# Altium PCB Telemetry Module PCB.PcbDoc (part 1 of 2)
Units mil, origin at the board's own origin, x right, y up, seen from the top; angles counter-clockwise.
Board outline 3149.61 x 3149.61 mil, 2 copper layers (Top Layer, Bottom Layer); 76 components, 75 nets, 422 pads, 173 vias.
Unrouted connection lines stored in the file: 86.
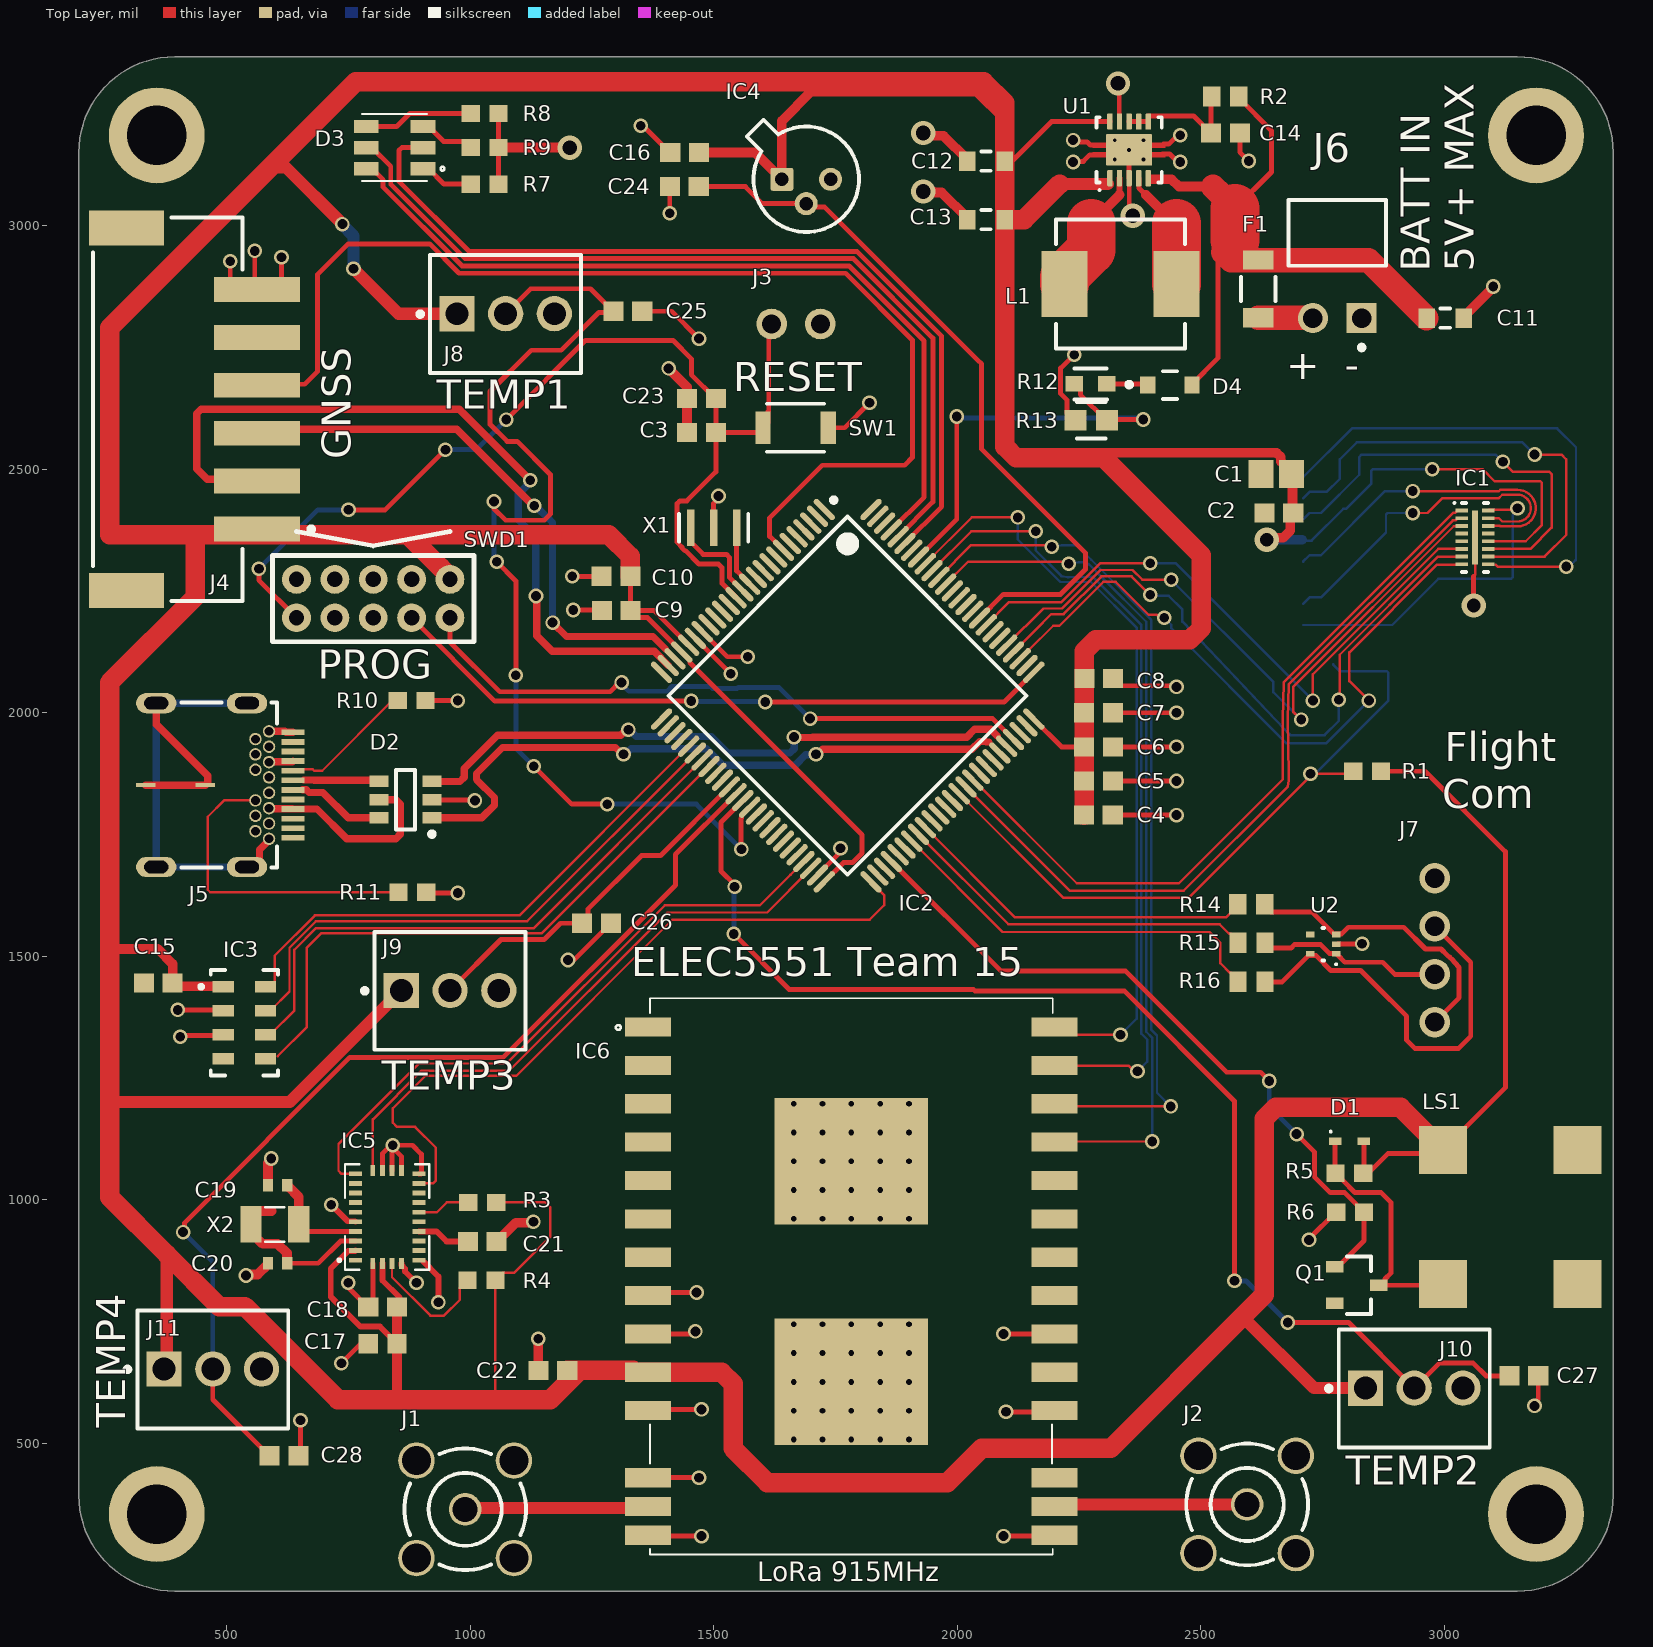
[diagram p0: Top Layer view]
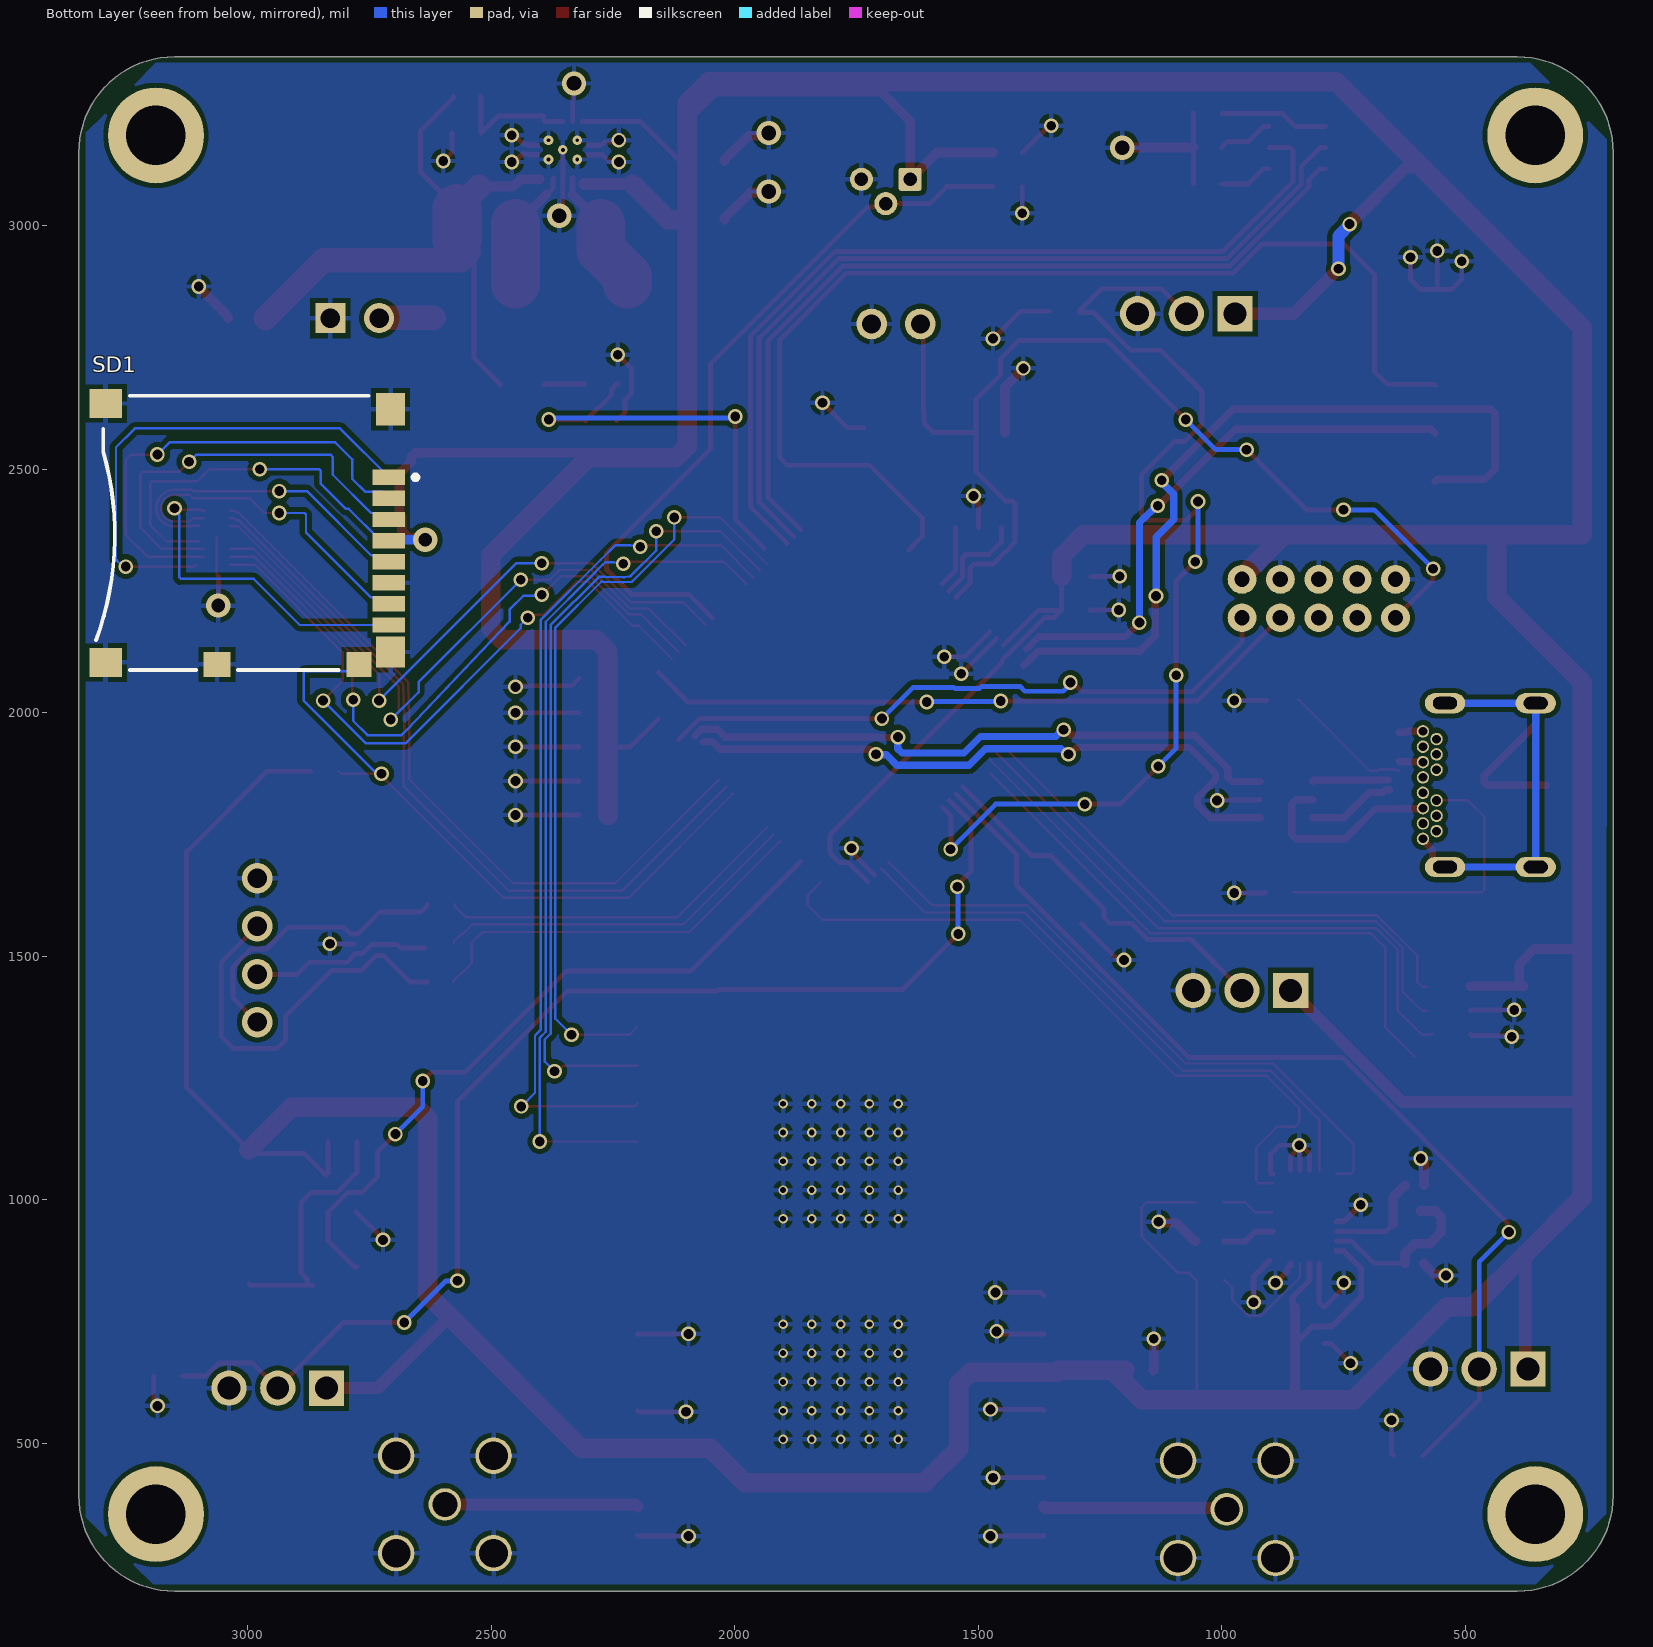
[diagram p1: Bottom Layer view, seen from below]
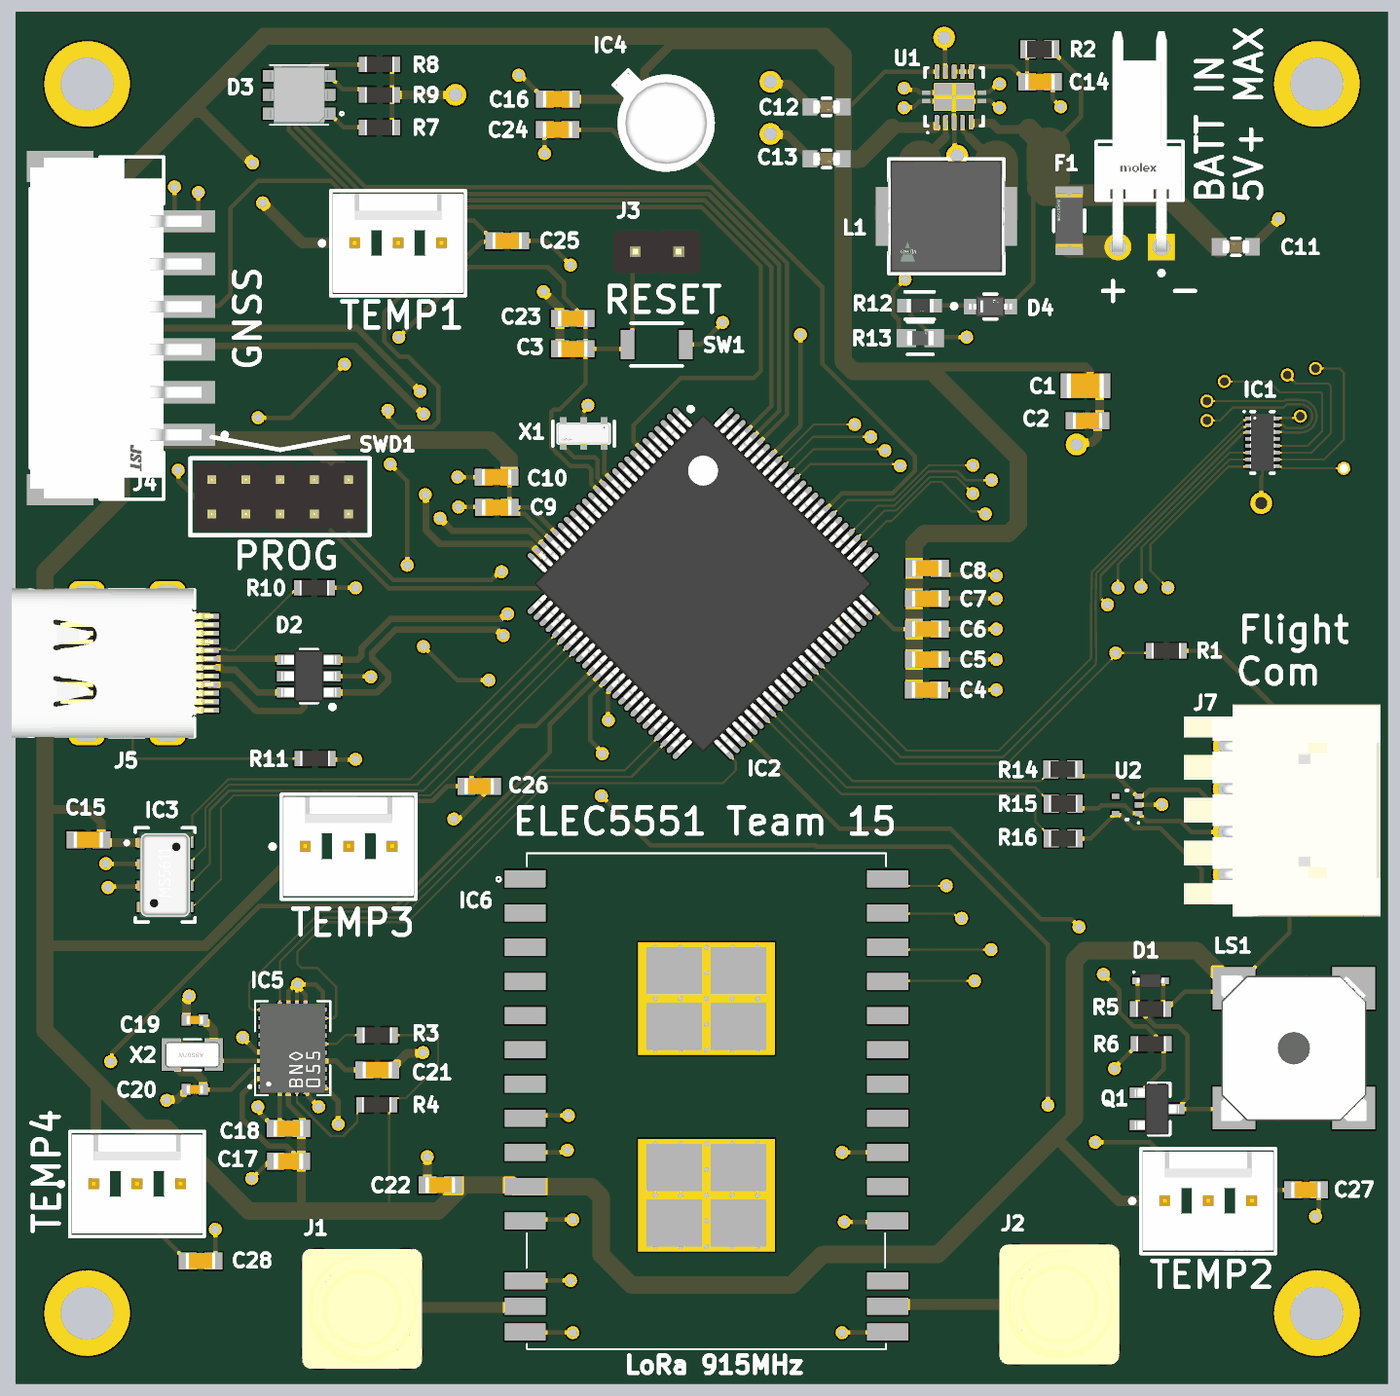
[diagram p3: 3D render of the assembled board from above, using the file's embedded part models]

## Layer stack, top to bottom
Top Solder: solder mask 0.4, Solder Resist, Dk 3.5
Top Layer: signal copper 1.4
Dielectric 1: dielectric 12.6, FR-4, Dk 4.8
Bottom Layer: signal copper 1.4
Bottom Solder: solder mask 0.4, Solder Resist, Dk 3.5

## Board outline
393.7,196.85 cw(c393.7,393.7) 196.85,393.7 196.85,3149.61 cw(c393.7,3149.61) 393.7,3346.46 3149.61,3346.46 cw(c3149.61,3149.61) 3346.46,3149.61 3346.46,393.7 cw(c3149.61,393.7) 3149.61,196.85

## Design rules (kind name [scope] priority, off if disabled: settings)
Clearance [All] p1: gap=10 ignorepadtopadclearanceinfootprint=FALSE except(5: Arc-Arc Arc-Track Arc-SMDPad Track-Track Track-SMDPad SMDPad-SMDPad Via-Via)
DiffPairsRouting [All] p1: maxlimit=10 minlimit=10 mostfreqgap=10 toplayer_minwidth=15 toplayer_maxwidth=15 toplayer_prefwidth=15 bottomlayer_minwidth=15 bottomlayer_maxwidth=15 bottomlayer_prefwidth=15 maxuncoupledlength=500
PolygonConnect [All] p1: connectstyle=Relief reliefconductorwidth=10 reliefentries=4 polygonreliefangle="90 Angle" airgapwidth=10
RoutingVias [All] p1: holewidth=20 width=30 viastyle="Through Hole" minholewidth=20 minwidth=30 maxholewidth=28 maxwidth=50
SolderMaskExpansion [All] p1: expansion=4 istentingtop=FALSE
SupplyNets "Schematic Supply Nets_2" [InNet('GND')] p1: voltage=0.000
SupplyNets "Schematic Supply Nets_1" [InNet('+3V3')] p2: voltage=0.000
SupplyNets "Schematic Supply Nets" [InNet('+VS')] p3: voltage=0.000
Width [All] p1: maxlimit=100 minlimit=5 preferedwidth=10 minimp=50.000000 maximp=50.000000 favimp=50.000000
29 further rules are at their usual default settings.

## Classes and differential pairs
component class "Miscellaneous Input/Output": 3 C3 C23 D1 D2 D3 J3 J4 J5 J7 LS1 Q1 R5 R6 R7 R8 R9 R10 R11 R14 R15 R16 SW1 SWD1 U2
component class "Power Regulation": C11 C12 C13 C14 D4 F1 J6 L1 R2 U1
component class "915MHz Radio": C22 IC6 J1 J2
component class Sensors: C15 C16 C17 C18 C19 C20 C21 C24 C25 C26 C27 C28 IC3 IC4 IC5 J8 J9 J10 J11 R3 R4 X2
component class "Micro SD Card": C1 C2 IC1 R1 SD1
component class "Flight Computer": C4 C5 C6 C7 C8 C9 C10 IC2 R12 R13 X1
differential pair D2: +D2_P -D2_N
differential pair D1: +D1_P -D1_N

## Components (designator, comment, footprint, x,y, rotation, side; value= is the part's Value field where it differs from the comment)
C1 "C0805C106K8PACTU" CAPC2012X14N 2655,2490 r0 top value=10uF
C2 "C0603C104M5RACTU" CAPC1608X10N#1 2660,2410 r0 top value=100nF
C3 "C0603C104M5RACTU" CAPC1608X10N#1 1475,2575 r0 top value=100nF
C4 "C0603C104M5RACTU" CAPC1608X10N#1 2289.53,1790 r180 top value=100nF
C5 "C0603C104M5RACTU" CAPC1608X10N#1 2290,1860 r180 top value=100nF
C6 "C0603C104M5RACTU" CAPC1608X10N#1 2290,1930 r180 top value=100nF
C7 "C0603C104M5RACTU" CAPC1608X10N#1 2290,2000 r180 top value=100nF
C8 "C0603C104M5RACTU" CAPC1608X10N#1 2290.47,2070 r180 top value=100nF
C9 "C0603C105K8PACTU" CAPC1608X10N#1 1300,2210 r0 top value=1uF
C10 "C0603C103J5RACTU" CAPC1608X10N#1 1299.53,2280 r0 top value=10nF
C11 "10uF" FP-C1608-080-IPC_A 3001.61,2810 r180 top
C12 "10uF" FP-C1608-080-IPC_A 2059.26,3132.25 r0 top
C13 "10uF" FP-C1608-080-IPC_A 2059.26,3012.25 r0 top
C14 "C0603C104M5RACTU" CAPC1608X10N#1 2550.47,3190 r180 top value=100nF
C15 "C0603C104M5RACTU" CAPC1608X10N#1 360,1445 r0 top value=100nF
C16 "C0603C104M5RACTU" CAPC1608X10N#1 1440.47,3150 r0 top value=100nF
C17 "C0603C124K4RACTU" CAPC1608X10N#2 820.47,705 r0 top value=120nF
C18 "C0603C104M5RACTU" CAPC1608X10N#1 820.47,780 r0 top value=100nF
C19 "C0402C220K5GACTU" CAPC1005X05N 605,1030 r0 top value=22pF
C20 "C0402C220K5GACTU" CAPC1005X05N 605,870 r0 top value=22pF
C21 "C0603C105K8PACTU" CAPC1608X10N#1 1025,915 r180 top value=1uF
C22 "C0603C104M5RACTU" CAPC1608X10N#1 1170,650 r0 top value=100nF
C23 "C0603C104M5RACTU" CAPC1608X10N#1 1475,2645 r0 top value=100nF
C24 "C0603C104M5RACTU" CAPC1608X10N#1 1440,3080 r0 top value=100nF
C25 "C0603C104M5RACTU" CAPC1608X10N#1 1324,2824 r180 top value=100nF
C26 "C0603C104M5RACTU" CAPC1608X10N#1 1259.47,1568 r180 top value=100nF
C27 "C0603C104M5RACTU" CAPC1608X10N#1 3163,639 r180 top value=100nF
C28 "C0603C104M5RACTU" CAPC1608X10N#1 618,475 r180 top value=100nF
D1 "RB521S30T1G" SODFL160X70-2N 2805,1120.6 r0 top
D2 "USBLC6-2SC6" USBLC6-2SC6-Footprint-1 867.52,1821.65 r180 top
D3 "LRTBGVSR-U4V2-JW+A6BB-D8+S2U2-7Z-20-S" LRTBGVSG-UEVE-24+AMAQ-29+SCUC-HR-Footprint-1 845,3160 r180 top
D4 "1SS404,H3F" FP-SOD-323-MFG 2436.48,2672.52 r0 top
F1 "MF-NSMF110-2" FP-MF-NSMF110-2-MFG 2618,2870 r90 top value=0.06-0.2Ω
IC1 "CM1624-08DE" SON40P140X55_HS-17N 3062.83,2359.88 r0 top
IC2 "STM32L552VET6" TSQFP50P1600X1600X160-100N 1775,2035 r315 top
IC3 "MS561101BA03-50" MS561101BA03-50-Footprint-1 536.69,1363.82 r0 top
IC4 "LM35DH/NOPB" LM35DH_NOPB-Footprint-1 1690,3045 r0 top
IC5 "BNO055" BNO055-Footprint-1 830,965 r90 top
IC6 "RFD900ux" RFD900ux-Footprint-1 1369.29,1413.98 r0 top
J1 "PCB.SMAFST.J.A.HT" PCB.SMAFST.J.A.HT-Footprint-1 990,365 r0 top
J2 "PCB.SMAFST.J.A.HT" PCB.SMAFST.J.A.HT-Footprint-1 2595,375 r0 top
J3 "22-28-4020" 22-28-4020-Footprint-1 1719,2798 r180 top
J4 "S6B-XH-SM4-TB(LF)(SN)" FP-S6B-XH-SM4-TB_LF_SN-MFG 379.65,2622.95 r270 top
J5 "SS-52400-003" SS-52400-003-Footprint-1 355.95,1851.5 r270 top
J6 "22-05-3021" FP-22-05-3021-MFG 2780,2980 r180 top
J7 "53426-0410" 53426-0410-Footprint-1 2980,1365 r90 top
J8 "22-29-2031" FP-22-29-2031-MFG 1073,2818.21 r0 top
J9 "22-29-2031" FP-22-29-2031-MFG 959,1429.21 r0 top
J10 "22-29-2031" FP-22-29-2031-MFG 2938,613 r0 top
J11 "22-29-2031" FP-22-29-2031-MFG 472,652.21 r0 top
L1 "2.2uH" FP-IHLP-2525BD-FP_2_413x3-MFG 2335,2880 r180 top
LS1 "CMT-8503-85B-SMT-TR" CMT-8503-85B-SMT-TR-Footprint-1 3135,965 r0 top
Q1 "2N7002NXAKR" SOT95P230X110-3N 2820,825 r0 top
R1 "CRCW060310K0FKEA" RESC1608X06N 2841.46,1880 r0 top value=10k
R2 "100Ω" RESC1609X50X30ML8T20 2550,3265 r0 top
R3 "CRCW060310K0FKEA" RESC1608X06N 1025,995 r0 top value=10k
R4 "CRCW060310K0FKEA" RESC1608X06N 1023.54,835 r0 top value=10k
R5 "CRCW06031K00FKEA" RESC1608X06N 2805,1055 r0 top value=1k
R6 "CRCW060310K0FKEA" RESC1608X06N 2806.46,975 r0 top value=10k
R7 "CRCW06031K00FKEA" RESC1608X06N 1030,3085 r0 top value=1k
R8 "CRCW06031K00FKEA" RESC1608X06N 1030,3230 r0 top value=1k
R9 "CRCW06031K00FKEA" RESC1608X06N 1030,3160 r0 top value=1k
R10 "CRCW06035K10FKEA" RESC1608X06N 880,2025 r180 top value=5.1k
R11 "CRCW06035K10FKEA" RESC1608X06N 881.65,1631.65 r180 top value=5.1k
R12 "10kΩ" FP-RT0603-MFG 2273.46,2675 r0 top value=10KΩ
R13 "33kΩ" FP-CRCW0603-e3-IPC_A 2275,2600 r0 top
R14 "100Ω" RESC1609X50X30ML8T20 2603.56,1607 r0 top
R15 "100Ω" RESC1609X50X30ML8T20 2604,1528 r0 top
R16 "100Ω" RESC1609X50X30ML8T20 2604,1448 r0 top
SD1 "5027740891" 5027740891-Footprint-1 3000.75,2369.13 r270 bottom locked
SW1 "B3U-1000P" OMRON-B3U-1000_V 1668.07,2585 r0 top
SWD1 "M22-2520505" M22-2520505-Footprint-1 958.74,2273.74 r180 top
U1 "TPS63000DRCR" DRC0010J_V 2352.72,3155.35 r90 top
U2 "NZQA5V6XV5T1G" ONSC-SOT-553-5-463B_B_V 2751,1525 r180 top
X1 "CSTNE16M0V530000R0" FP-CSTNE16M0V530000R0-MFG 1500,2380 r0 top
X2 "ABS07-32.768KHZ-T" ABS07-32.768KHZ-T-Footprint-1 599.21,950 r180 top

## Footprints (in the part's own frame and the unit in brackets; to place one, negate y for a bottom-side part, rotate by r counter-clockwise, add the part's x,y. Pads: shape width x height; smd on the part's side, far side on the other; paste and mask are expansions set on the pad)
22-28-4020-Footprint-1 [mm]
  round 1.6 hole 1: 1(0,0) 2(2.54,0)
  body extent -1.27,-1.27 3.81,1.23, height 8.38
53426-0410-Footprint-1 [mm]
  round 1.6 hole 1: 1(0,0) 2(2.5,0) 3(5,0) 4(7.5,0)
  body extent -2.45,-9 9.95,2.5, height 6.7
5027740891-Footprint-1 [mm]
  rect 0.8x1.68 smd: 1(-2.9,7.385) 2(-1.8,7.385) 3(-0.7,7.385) 4(0.4,7.385) 5(1.5,7.385) 6(2.6,7.385) 7(3.7,7.385) 8(4.8,7.385)
  rect 1.29x1.3 smd: 9(6.855,5.825)
  rect 1.29x1.4 smd: 10(6.855,-1.575)
  rect 1.5x1.7 smd: 11(6.75,-7.375) 12(-6.75,-7.375)
  rect 1.7x1.5 smd: 13(-6.45,7.475)
  rect 1.6x1.5 smd: 14(6.21,7.475)
  silkscreen extent -7.15,-7.88 7.15,8.9, body extent -7.15,-8 7.15,8, height 1.78
ABS07-32.768KHZ-T-Footprint-1 [mm]
  rect 1.1x1.9 smd mask+0.05: 1(-1.25,0) 2(1.25,0)
  silkscreen extent -0.5,-0.9 0.5,0.9, body extent -1.6,-0.75 1.6,0.75, height 0.9
BNO055-Footprint-1 [mm]
  rect 0.25x0.675 smd: 1(-2.25,1.65) 6(-2.25,-1.662) 7(-1.75,-1.662) 8(-1.25,-1.662) 9(-0.75,-1.662) 10(-0.25,-1.662) 11(0.25,-1.662) 12(0.75,-1.662) 13(1.25,-1.662) 14(1.75,-1.662) 15(2.25,-1.662) 20(2.25,1.65) 21(1.75,1.65) 22(1.25,1.65) 23(0.75,1.65) 24(0.25,1.65) 25(-0.25,1.65) 26(-0.75,1.65) 27(-1.25,1.65) 28(-1.75,1.65)
  rect 0.575x0.25 smd: 2(-2.412,0.75) 3(-2.412,0.25) 4(-2.412,-0.25) 5(-2.412,-0.75) 16(2.412,-0.75) 17(2.412,-0.25) 18(2.412,0.25) 19(2.412,0.75)
  silkscreen extent -2.75,-2.2 2.75,2.55, body extent -2.6,-1.9 2.6,1.9, height 1.18
CAPC1005X05N [mm] "Chip Capacitor, 2-Leads, Body 1.00x0.50mm, IPC Medium Density"
  rect 0.54x0.64 smd: 1(-0.5,0) 2(0.5,0)
  body extent -0.5,-0.25 0.5,0.25, height 0.5
CAPC1608X10N#1 [mm] "Chip Capacitor, 2-Leads, Body 1.60x0.80mm, IPC Medium Density"
  rect 1.05x1 smd: 1(-0.75,0) 2(0.75,0)
  body extent -0.87,-0.48 0.87,0.48, height 0.95
CAPC1608X10N#2 [mm] "Chip Capacitor, 2-Leads, Body 1.60x0.80mm, IPC Medium Density"
  rect 1x1 smd: 1(-0.75,0) 2(0.75,0)
  body extent -0.87,-0.48 0.87,0.48, height 0.95
CAPC2012X14N [mm] "Chip Capacitor, 2-Leads, Body 2.00x1.25mm, IPC Medium Density"
  rect 1.3x1.45 smd: 1(-0.8,0) 2(0.8,0)
  body extent -1.1,-0.72 1.1,0.72, height 1.45
CMT-8503-85B-SMT-TR-Footprint-1 [mm]
  rect 2.5x2.5 smd: 0(3.5,-3.5) 0(3.5,3.5) 1(-3.5,3.5) 2(-3.5,-3.5)
  body extent -4.25,-4.25 4.25,4.25, height 3
DRC0010J_V [mm] "SON, 10-Leads, Body 3x3mm, Pitch 0.5mm, Thermal Pad 2.4x1.65mm, TI Recommended"
  rrect36% 0.85x0.28 smd paste-0.025 mask+0.07: 1(-1.475,1) 2(-1.475,0.5) 3(-1.475,0) 4(-1.475,-0.5) 5(-1.475,-1) 6(1.475,-1) 7(1.475,-0.5) 8(1.475,0) 9(1.475,0.5) 10(1.475,1)
  rrect6% 1.65x2.4 smd paste-0.825 mask+0.07: 11(0,0)
  Top Layer region: -0.39,-1.9 -0.11,-1.9 -0.11,-1.2 -0.39,-1.2
  Top Layer region: 0.39,-1.2 0.11,-1.2 0.11,-1.9 0.39,-1.9
  Top Layer region: 0.39,1.9 0.11,1.9 0.11,1.2 0.39,1.2
  Top Layer region: -0.39,1.2 -0.11,1.2 -0.11,1.9 -0.39,1.9
  silkscreen extent -2.15,-1.7 1.7,1.7, body extent -1.55,-1.55 1.55,1.55, height 1
FP-22-05-3021-MFG [mm]
  rect 1.57x1.57 hole 1.02 paste-2539.97 mask+0: 1(-1.27,4.32)
  round 1.57 hole 1.02 paste-2539.97 mask+0: 2(1.27,4.32)
  silkscreen extent -2.54,-1.84 2.54,5.97, body extent -2.64,-8.9 2.64,5.21, height 0.25
FP-22-29-2031-MFG [mm]
  rect 1.84x1.84 hole 1.19 paste-2539.97 mask+0: 1(-2.54,0.02)
  round 1.84 hole 1.19 paste-2539.97 mask+0: 2(0,0.02) 3(2.54,0.02)
  silkscreen extent -4.57,-3.08 3.94,3.08, body extent -4.04,-3.17 4.04,3.17, height 0.25
FP-C1608-080-IPC_A [mm]
  rect 0.862x1.012 smd paste+0 mask+0: 1(-0.975,0) 2(0.975,0)
  silkscreen extent -0.24,-0.51 0.24,0.51, body extent -1.91,-1.01 1.91,1.01, height 0.25
FP-CRCW0603-e3-IPC_A [mil]
  rect 44.69x41.82 smd paste+0 mask+0: 1(-32.1,0) 2(32.1,0)
  silkscreen extent -30,-37 30,37, body extent -74,-41 74,41, height 10
FP-CSTNE16M0V530000R0-MFG [mm]
  rect 0.4x1.9 smd paste+0 mask+0: 1(1.2,0) 2(0,0) 3(-1.2,0)
  silkscreen extent -1.8,-0.73 1.8,0.73, body extent -1.78,-1.05 1.78,1.05, height 0.25
FP-IHLP-2525BD-FP_2_413x3-MFG [mil]
  rect 95x135 smd paste+0 mask+0: 1(-115,0) 2(115,0)
  silkscreen extent -132,-132 132,132, body extent -166,-136 166,136, height 10
FP-MF-NSMF110-2-MFG [mm]
  rect 1x1.6 smd paste+0 mask+0: 1(-1.5,0) 2(1.5,0)
  silkscreen extent -0.63,-0.9 0.63,0.9, body extent -2.1,-1 2.1,1, height 0.25
FP-RT0603-MFG [mm]
  rect 0.9x0.8 smd paste+0 mask+0: 1(-0.85,0) 2(0.85,0)
  silkscreen extent -0.85,-0.81 0.86,0.8, body extent -1.4,-0.55 1.4,0.55, height 0.25
FP-S6B-XH-SM4-TB_LF_SN-MFG [mm]
  rect 1.3x4.5 smd paste+0 mask+0: 1(6.25,4.65) 2(3.75,4.65) 3(1.25,4.65) 4(-1.25,4.65) 5(-3.75,4.65) 6(-6.25,4.65)
  rect 1.8x3.9 smd paste+0 mask+0: 7(-9.45,-2.15) 8(9.45,-2.15)
  silkscreen extent -10,-3.9 10,7.6, body extent -10.45,-4.2 10.45,7, height 0.25
FP-SOD-323-MFG [mm]
  rect 0.8x0.9 smd paste+0 mask+0: 1(-1.15,0) 2(1.15,0)
  silkscreen extent -2.25,-0.72 0.37,0.72, body extent -1.65,-0.82 1.65,0.82, height 0.25
LM35DH_NOPB-Footprint-1 [mm]
  rrect20% 1.2x1.2 hole 0.7: 1(-1.27,1.27)
  round 1.2 hole 0.7: 2(0,0) 3(1.27,1.27)
  silkscreen extent -3.1,-1.48 2.75,4.37, body extent -4.53,-2.58 3.85,5.8, height 5.41
LRTBGVSG-UEVE-24+AMAQ-29+SCUC-HR-Footprint-1 [mm]
  rect 1.3x0.7 smd: 1(-1.475,1.1) 2(-1.475,0) 3(-1.475,-1.1) 4(1.475,-1.1) 5(1.475,0) 6(1.475,1.1)
  silkscreen extent -2.6,-1.75 1.7,1.75, body extent -1.7,-1.65 1.7,1.65, height 1.8
M22-2520505-Footprint-1 [mm]
  round 1.5 hole 0.8: 1(0,0) 2(0,2) 3(2,0) 4(2,2) 5(4,0) 6(4,2) 7(6,0) 8(6,2) 9(8,0) 10(8,2)
  silkscreen extent -1.25,-2.5 9.25,3.25, body extent -1,-1 9,3, height 5
MS561101BA03-50-Footprint-1 [mm]
  rect 1.1x0.6 smd: 1(-1.1,1.875) 2(-1.1,0.625) 3(-1.1,-0.625) 4(-1.1,-1.875) 5(1.1,-1.875) 6(1.1,-0.625) 7(1.1,0.625) 8(1.1,1.875)
  silkscreen extent -2.35,-2.75 1.75,2.75, body extent -1.55,-2.5 1.55,2.5, height 1.01
OMRON-B3U-1000_V [mm] "SMD, 2-Leads, Body 3x2.5mm"
  rect 0.8x1.7 smd: 1(-1.7,0) 2(1.7,0)
  silkscreen extent -1.5,-1.25 1.5,1.25, body extent -1.5,-1.25 1.5,1.25, height 1.75
ONSC-SOT-553-5-463B_B_V [mm] "SOT23, 5-Leads, Body 1.6x1.2mm, Pitch 0.5mm"